# Altium PCB STM32H743II.PcbDoc (part 2 of 3)
Units mm, origin at the board's own origin, x right, y up, seen from the top; angles counter-clockwise.
Board outline 132.8 x 97.41 mm, 4 copper layers (Top Layer, GND, Power, Bottom Layer), stack 0.778 mm thick; 128 components, 206 nets, 736 pads, 989 vias.
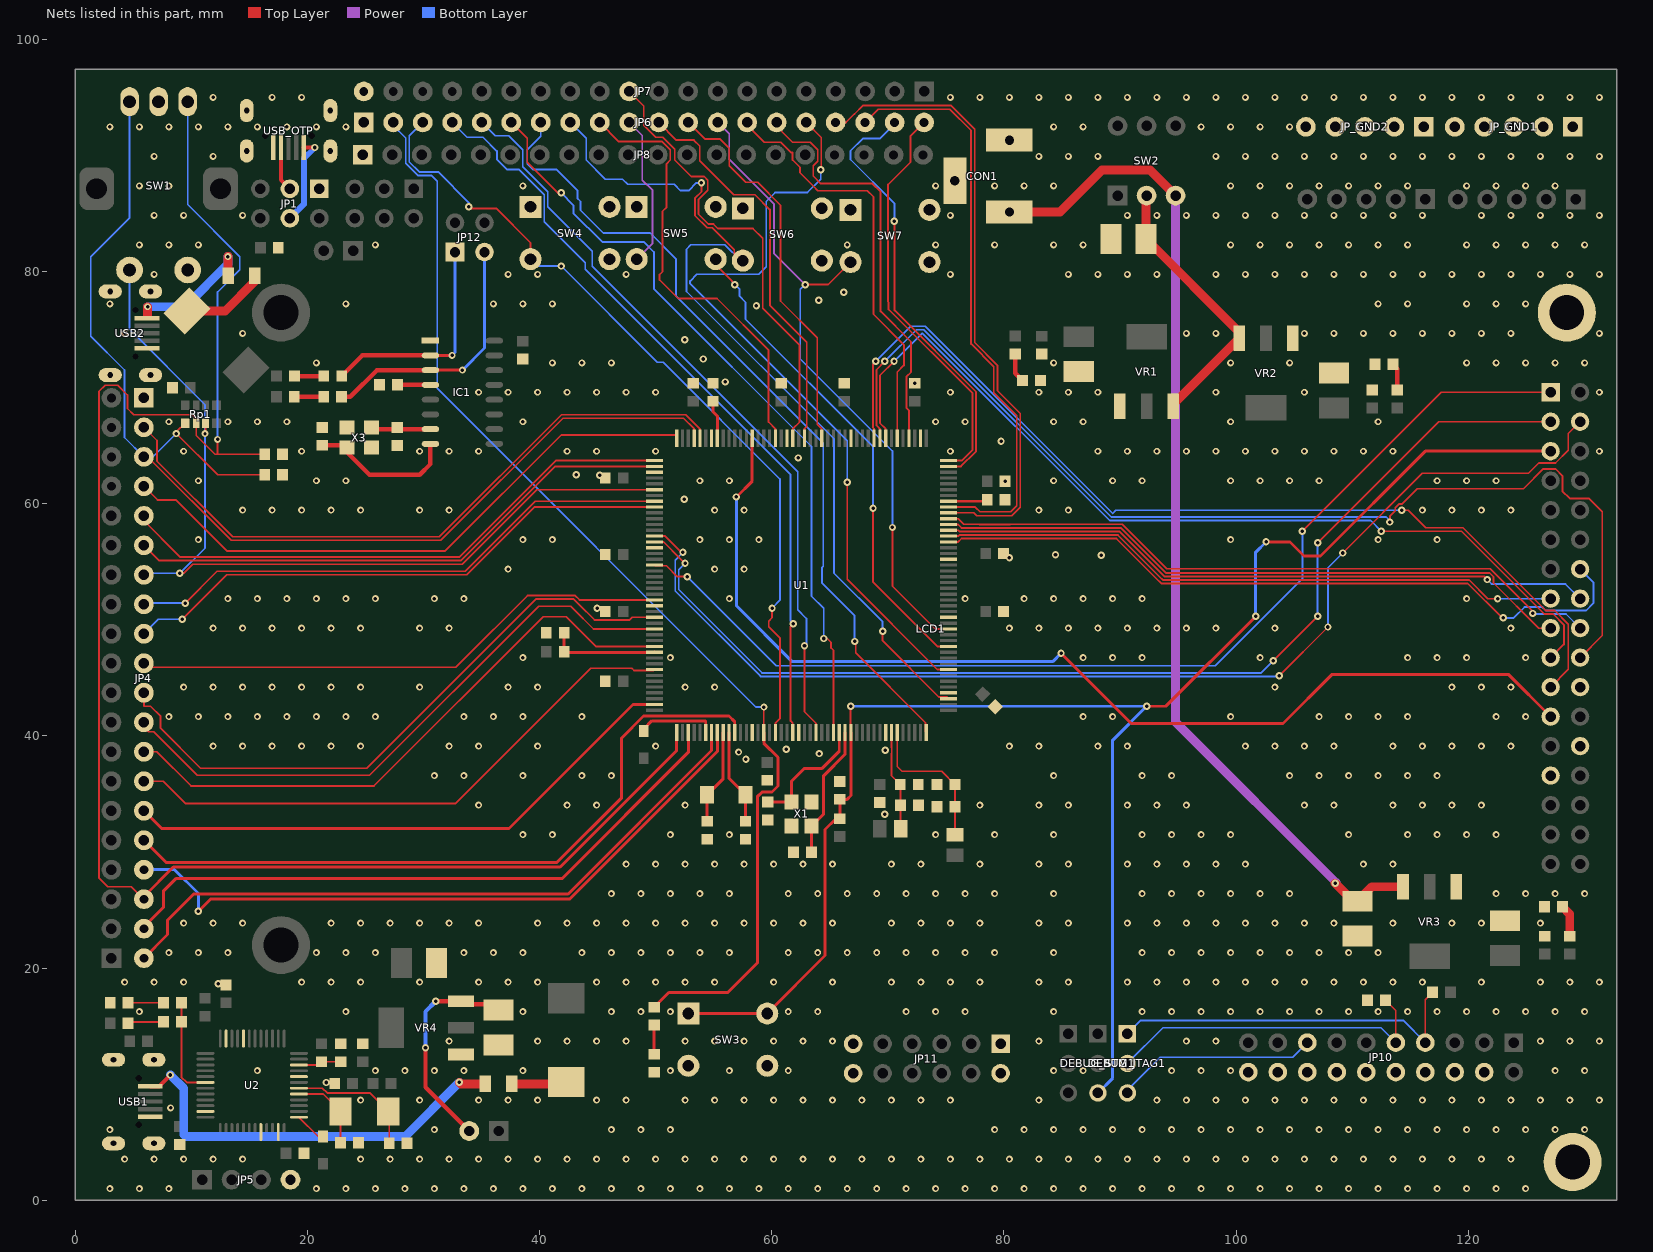
[diagram p4: the nets of this part, all layers, seen from the top]

## Via types
v1: diameter 0.6, hole 0.3, Top Layer to Bottom Layer, 798 vias
v2: diameter 0.635, hole 0.305, Top Layer to Bottom Layer, 191 vias

## Nets (pads, with @x,y where several pads share a name; then routed paths per layer and width w, separated by ;. In a path a pad name is that pad's centre, name@x,y a point inside that pad or via, vN(x,y) a via of type N, cw(c..) or ccw(c..) an arc to the next point about the centre after c; other vN are vias at no path point) (continued)
FSMC_D8: LCD1.14 U1.74 | length 62.7
  Top Layer w0.152: U1.74@75.246,56.709 76.059,56.709 76.352,57.002 77.37,57.002 77.382,56.99 81.051,56.99 81.063,57.002 89.694,57.002 93.394,53.302 93.483,53.212 93.571,53.124 119.948,53.124 122.907,50.165 v2(123.023,50.165)
  Bottom Layer w0.152: v2(123.023,50.165) 123.912,50.165 124.839,51.092 126.378,51.092 126.666,50.804 130.139,50.804 130.77,51.435 130.77,53.217 LCD1.14@129.627,54.36
FSMC_D9: LCD1.15 U1.75 | length 54.3
  Top Layer w0.152: U1.75@75.246,57.209 76.059,57.209 76.156,57.307 77.496,57.307 77.508,57.295 80.925,57.295 80.936,57.307 89.82,57.307 93.609,53.517 93.698,53.429 120.074,53.429 121.687,51.816 v2(122.515,51.816)
  Bottom Layer w0.152: v2(122.515,51.816) 126.837,51.816 126.964,51.943 LCD1.15@127.087,51.82
FSMC_D10: LCD1.16 U1.76 | length 56.8
  Top Layer w0.152: U1.76@75.246,57.709 76.059,57.709 76.156,57.611 77.623,57.611 77.634,57.6 80.799,57.6 80.81,57.611 89.946,57.611 93.824,53.734 121.36,53.734 v2(121.626,53.467)
  Bottom Layer w0.152: v2(121.626,53.467) 122.007,53.086 128.361,53.086 LCD1.16@129.627,51.82
FSMC_D11: LCD1.17 U1.77 | length 55.9
  Top Layer w0.152: U1.77@75.246,58.209 76.059,58.209 76.352,57.916 77.749,57.916 77.76,57.905 80.672,57.905 80.684,57.916 90.072,57.916 93.95,54.038 121.827,54.038 122.172,53.693 122.172,53.165 126.057,49.28 LCD1.17@127.087,49.28
FSMC_D12: LCD1.18 U1.78 | length 58.4
  Top Layer w0.152: U1.78@75.246,58.709 76.059,58.709 76.547,58.221 77.875,58.221 77.887,58.209 80.546,58.209 80.558,58.221 90.199,58.221 94.015,54.405 121.892,54.405 125.563,50.733 v2(125.563,50.546)
  Bottom Layer w0.152: v2(125.563,50.546) 125.61,50.499 128.408,50.499 LCD1.18@129.627,49.28
FSMC_D13: LCD1.19 U1.96 | length 79.7
  Top Layer w0.152: U1.96@69.821,65.634 69.821,66.446 69.333,66.934 69.333,71.056 v2(70.54,72.263) ; v2(112.515,57.625) 119.414,57.625 126.54,50.499 127.305,50.499 128.23,49.574 128.23,47.883 LCD1.19@127.087,46.74
  Bottom Layer w0.152: v2(70.54,72.263) 72.953,74.676 72.985,74.676 89.114,58.547 111.593,58.547 v2(112.515,57.625)
FSMC_D14: LCD1.20 U1.97 | length 94.9
  Top Layer w0.152: U1.97@69.321,65.634 69.321,66.446 69.029,66.739 69.029,71.539 v2(69.752,72.263) ; v2(113.244,58.42) 113.244,58.928 113.714,59.398 113.714,59.662 114.034,59.982 114.298,59.982 115.608,61.291 124.752,61.291 126.456,62.996 127.508,62.996 128.103,62.401 128.103,61.087 128.734,60.456 130.385,60.456 131.532,59.309 131.532,48.645 LCD1.20@129.627,46.74
  Bottom Layer w0.152: v2(69.752,72.263) 72.47,74.981 73.112,74.981 89.241,58.852 112.94,58.852 113.244,58.547 v2(113.244,58.42)
FSMC_D15: LCD1.21 U1.98 | length 84.6
  Top Layer w0.152: U1.98@68.821,65.634 68.821,66.446 68.724,66.544 68.724,72.022 v2(68.965,72.263) ; v2(114.26,59.436) 114.819,59.436 116.325,57.93 119.54,57.93 126.666,50.804 127.431,50.804 128.611,49.624 128.611,45.724 LCD1.21@127.087,44.2
  Bottom Layer w0.152: v2(68.965,72.263) 71.988,75.286 73.238,75.286 89.367,59.157 89.646,59.436 v2(114.26,59.436)
FSMC_NE1: LCD1.1 U1.151 | length 92.9
  Top Layer w0.152: U1.151@49.897,54.709 49.958,54.648 50.942,54.648 51.869,53.721 v2(52.723,53.721) ; v2(105.707,57.625) 117.682,69.6 LCD1.1@127.087,69.6
  Bottom Layer w0.152: v2(52.723,53.721) 60.406,46.038 98.205,46.038 105.707,53.54 v2(105.707,57.625)
FSMC_NOE: LCD1.4 U1.146 | length 100.6
  Top Layer w0.152: U1.146@49.897,57.209 50.818,57.209 52.223,55.804 v2(52.361,55.804) ; v2(103.719,45.187) v2(107.91,49.378) ; v2(109.18,55.753) 116.038,62.611 125.178,62.611 126.071,63.504 127.508,63.504 128.611,64.607 128.611,66.044 LCD1.4@129.627,67.06
  Bottom Layer w0.152: v2(52.361,55.804) 51.687,55.131 51.687,52.48 59.044,45.123 103.656,45.123 v2(103.719,45.187) ; v2(107.91,49.378) 107.91,54.483 v2(109.18,55.753)
FSMC_NWE: LCD1.3 U1.147 | length 96.6
  Top Layer w0.152: U1.147@49.897,56.709 50.683,56.709 52.134,55.258 52.528,54.864 v2(52.538,54.864) ; v2(103.211,46.482) v2(107.021,50.292) ; v2(107.021,56.642) 117.439,67.06 LCD1.3@127.087,67.06
  Bottom Layer w0.152: v2(52.538,54.864) 51.992,54.318 51.992,52.606 59.17,45.428 102.157,45.428 v2(103.211,46.482) ; v2(107.021,50.292) v2(107.021,56.642)
GND: C1.1 C2.1 C3.1 C4.1 C5.1 C6.1 C7.1 C8.1 C9.1 C10.1 C11.1 C12.1 C13.1 C14.1 C15.1 C16.1 C17.1 C18.1 C19.1 C20.1 C21.1 C22.1 C23.1 C24.1 C25.1 C26.1 C27.1 C28.1 C29.1 C30.2 C31.1 C32.1 C33.1 C34.1 C35.2 C36.1 C37.2 C38.2 C39.1 C40.1 C41.2 C42.1 C43.2 C44.2 C45.1 C46.2 C47.2 C48.1 C49.2 C50.2 CON1.2 CON1.3 D4.K IC1.1 JP1.1 JP4.1 JP5.4 JP6.1 JP7.20 JP8.1 JP10.4 JP10.6 JP10.8 JP10.10 JP10.12 JP10.14 JP10.16 JP10.18 JP10.20 JP11.1 JP11.2 JP11.11 JP11.12 JP_GND1.1 JP_GND1.2 JP_GND1.3 JP_GND1.4 JP_GND1.5 JP_GND2.1 JP_GND2.2 JP_GND2.3 JP_GND2.4 JP_GND2.5 LCD1.22 LCD1.26 LCD1.27 pad.1 R1.1 R9.1 R11.1 R12.1 R13.1 R14.1 R17.1 SW1.2 SW1.C SW3.2 SW3.3 SW4.1 SW4.4 SW5.1 SW5.4 SW6.1 SW6.4 SW7.1 SW7.4 U1.14 U1.22 U1.37 U1.48 U1.61 U1.71 U1.90 U1.102 U1.113 U1.126 U1.135 U1.148 U1.158 U2.8 U2.20 U2.23 U2.35 U2.44 U2.47 USB1.5 USB2.5 USB_OTP.5 VR1.1 VR2.1 VR3.1 VR4.1 X1.2 X1.4 X3.2 X3.4
  other v1: 3.008,1.016 5.548,1.016 8.088,1.016 20.788,1.016 23.328,1.016 25.868,1.016 28.408,1.016 30.948,1.016 33.488,1.016 36.028,1.016 38.568,1.016 41.108,1.016 43.648,1.016 46.188,1.016 48.728,1.016 51.268,1.016 53.808,1.016 56.348,1.016 58.888,1.016 61.428,1.016 63.968,1.016 66.508,1.016 69.048,1.016 71.588,1.016 74.128,1.016 76.668,1.016 79.208,1.016 81.748,1.016 84.288,1.016 86.828,1.016 89.368,1.016 91.908,1.016 94.448,1.016 96.988,1.016 99.528,1.016 102.068,1.016 104.608,1.016 107.148,1.016 109.688,1.016 112.228,1.016 114.768,1.016 117.308,1.016 119.848,1.016 122.388,1.016 124.928,1.016 4.278,3.556 6.818,3.556 9.358,3.556 11.898,3.556 14.438,3.556 24.598,3.556 27.138,3.556 29.678,3.556 32.218,3.556 34.758,3.556 37.298,3.556 39.838,3.556 42.378,3.556 44.918,3.556 47.458,3.556 49.998,3.556 52.538,3.556 55.078,3.556 57.618,3.556 60.158,3.556 62.698,3.556 65.238,3.556 67.778,3.556 70.318,3.556 72.858,3.556 75.398,3.556 77.938,3.556 80.478,3.556 83.018,3.556 85.558,3.556 88.098,3.556 90.638,3.556 93.178,3.556 95.718,3.556 98.258,3.556 100.798,3.556 103.338,3.556 105.878,3.556 108.418,3.556 110.958,3.556 113.498,3.556 116.038,3.556 118.578,3.556 121.118,3.556 123.658,3.556 3.008,6.096 30.948,6.096 46.188,6.096 48.728,6.096 51.268,6.096 79.208,6.096 81.748,6.096 84.288,6.096 86.828,6.096 89.368,6.096 91.908,6.096 94.448,6.096 96.988,6.096 99.528,6.096 102.068,6.096 104.608,6.096 107.148,6.096 109.688,6.096 112.228,6.096 114.768,6.096 117.308,6.096 119.848,6.096 122.388,6.096 124.928,6.096 127.468,6.096 130.008,6.096 24.598,8.636 29.678,8.636 34.758,8.636 37.298,8.636 39.838,8.636 44.918,8.636 47.458,8.636 52.538,8.636 55.078,8.636 57.618,8.636 60.158,8.636 62.698,8.636 65.238,8.636 67.778,8.636 70.318,8.636 72.858,8.636 75.398,8.636 83.018,8.636 93.178,8.636 95.718,8.636 98.258,8.636 100.798,8.636 103.338,8.636 105.878,8.636 108.418,8.636 110.958,8.636 113.498,8.636 116.038,8.636 118.578,8.636 121.118,8.636 123.658,8.636 126.198,8.636 128.738,8.636 131.278,8.636 15.708,11.176 25.868,11.176 28.408,11.176 30.948,11.176 33.488,11.176 38.568,11.176 51.268,11.176 56.348,11.176 61.428,11.176 84.288,11.176 86.828,11.176 94.448,11.176 96.988,11.176 99.528,11.176 127.468,11.176 130.008,11.176 32.218,13.716 39.838,13.716 42.378,13.716 44.918,13.716 47.458,13.716 52.538,13.716 55.078,13.716 57.618,13.716 60.158,13.716 62.698,13.716 65.238,13.716 83.018,13.716 95.718,13.716 98.258,13.716 126.198,13.716 128.738,13.716 131.278,13.716 5.548,16.256 23.328,16.256 38.568,16.256 46.188,16.256 48.728,16.256 51.268,16.256 61.428,16.256 63.968,16.256 71.588,16.256 74.128,16.256 76.668,16.256 84.288,16.256 91.908,16.256 94.448,16.256 96.988,16.256 99.528,16.256 102.068,16.256 104.608,16.256 107.148,16.256 109.688,16.256 112.228,16.256 114.768,16.256 117.308,16.256 119.848,16.256 122.388,16.256 124.928,16.256 127.468,16.256 130.008,16.256 4.278,18.796 6.818,18.796 9.358,18.796 19.518,18.796 22.058,18.796 24.598,18.796 29.678,18.796 34.758,18.796 37.298,18.796 39.838,18.796 44.918,18.796 47.458,18.796 49.998,18.796 52.538,18.796 55.078,18.796 60.158,18.796 65.238,18.796 70.318,18.796 72.858,18.796 75.398,18.796 77.938,18.796 83.018,18.796 85.558,18.796 90.638,18.796 93.178,18.796 95.718,18.796 98.258,18.796 100.798,18.796 103.338,18.796 105.878,18.796 108.418,18.796 110.958,18.796 113.498,18.796 116.038,18.796 121.118,18.796 126.198,18.796 128.738,18.796 131.278,18.796 8.088,21.336 10.628,21.336 13.168,21.336 20.788,21.336 23.328,21.336 25.868,21.336 33.488,21.336 36.028,21.336 38.568,21.336 43.648,21.336 46.188,21.336 48.728,21.336 51.268,21.336 53.808,21.336 56.348,21.336 61.428,21.336 63.968,21.336 66.508,21.336 69.048,21.336 71.588,21.336 74.128,21.336 76.668,21.336 79.208,21.336 84.288,21.336 91.908,21.336 94.448,21.336 96.988,21.336 99.528,21.336 102.068,21.336 104.608,21.336 107.148,21.336 109.688,21.336 112.228,21.336 9.358,23.876 11.898,23.876 14.438,23.876 22.058,23.876 24.598,23.876 27.138,23.876 29.678,23.876 32.218,23.876 34.758,23.876 39.838,23.876 42.378,23.876 44.918,23.876 47.458,23.876 49.998,23.876 52.538,23.876 55.078,23.876 57.618,23.876 60.158,23.876 62.698,23.876 65.238,23.876 70.318,23.876 72.858,23.876 75.398,23.876 77.938,23.876 83.018,23.876 85.558,23.876 90.638,23.876 93.178,23.876 95.718,23.876 98.258,23.876 100.798,23.876 103.338,23.876 105.878,23.876 108.418,23.876 113.498,23.876 118.578,23.876 121.118,23.876 126.198,23.876 46.188,26.416 48.728,26.416 51.268,26.416 53.808,26.416 56.348,26.416 61.428,26.416 63.968,26.416 66.508,26.416 69.048,26.416 71.588,26.416 74.128,26.416 76.668,26.416 79.208,26.416 84.288,26.416 91.908,26.416 94.448,26.416 96.988,26.416 99.528,26.416 102.068,26.416 104.608,26.416 122.388,26.416 124.928,26.416 127.468,26.416 130.008,26.416 47.458,28.956 49.998,28.956 52.538,28.956 55.078,28.956 57.618,28.956 60.158,28.956 62.698,28.956 65.238,28.956 70.318,28.956 72.858,28.956 77.938,28.956 83.018,28.956 85.558,28.956 90.638,28.956 93.178,28.956 95.718,28.956 98.258,28.956 100.798,28.956 110.958,28.956 113.498,28.956 38.568,31.496 41.108,31.496 51.268,31.496 56.348,31.496 74.128,31.496 79.208,31.496 84.288,31.496 91.908,31.496 94.448,31.496 96.988,31.496 99.528,31.496 109.688,31.496 114.768,31.496 117.308,31.496 119.848,31.496 122.388,31.496 34.758,34.036 42.378,34.036 44.918,34.036 52.538,34.036 77.938,34.036 83.018,34.036 85.558,34.036 90.638,34.036 93.178,34.036 95.718,34.036 105.878,34.036 108.418,34.036 113.498,34.036 116.038,34.036 118.578,34.036 121.118,34.036 30.948,36.576 33.488,36.576 38.568,36.576 43.648,36.576 46.188,36.576 84.288,36.576 91.908,36.576 94.448,36.576 104.608,36.576 107.148,36.576 109.688,36.576 112.228,36.576 114.768,36.576 117.308,36.576 11.898,39.116 14.438,39.116 16.978,39.116 19.518,39.116 22.058,39.116 24.598,39.116 32.218,39.116 34.758,39.116 39.838,39.116 49.998,39.116 80.478,39.116 83.018,39.116 88.098,39.116 90.638,39.116 100.798,39.116 103.338,39.116 105.878,39.116 108.418,39.116 113.498,39.116 116.038,39.116 118.578,39.116 121.118,39.116 123.658,39.116 8.088,41.656 10.628,41.656 13.168,41.656 15.708,41.656 18.248,41.656 20.788,41.656 23.328,41.656 25.868,41.656 33.488,41.656 36.028,41.656 38.568,41.656 43.648,41.656 86.828,41.656 89.368,41.656 99.528,41.656 107.148,41.656 109.688,41.656 112.228,41.656 114.768,41.656 122.388,41.656 124.928,41.656 9.358,44.196 11.898,44.196 14.438,44.196 16.978,44.196 19.518,44.196 22.058,44.196 24.598,44.196 29.678,44.196 37.298,44.196 39.838,44.196 52.538,44.196 55.078,44.196 103.338,44.196 118.578,44.196 121.118,44.196 123.658,44.196 38.568,46.736 51.268,46.736 86.828,46.736 89.368,46.736 91.908,46.736 102.068,46.736 114.768,46.736 117.308,46.736 119.848,46.736 124.928,46.736 11.898,49.276 14.438,49.276 16.978,49.276 19.518,49.276 22.058,49.276 24.598,49.276 29.678,49.276 32.218,49.276 80.478,49.276 83.018,49.276 85.558,49.276 88.098,49.276 90.638,49.276 93.178,49.276 95.718,49.276 98.258,49.276 103.338,49.276 123.658,49.276 13.168,51.816 15.708,51.816 18.248,51.816 20.788,51.816 23.328,51.816 25.868,51.816 30.948,51.816 33.488,51.816 56.348,51.816 76.668,51.816 81.748,51.816 84.288,51.816 86.828,51.816 89.368,51.816 91.908,51.816 119.848,51.816 37.298,54.356 55.078,54.356 57.618,54.356 10.628,56.896 38.568,56.896 41.108,56.896 53.808,56.896 56.348,56.896 58.888,56.896 99.528,56.896 112.228,56.896 117.308,56.896 14.438,59.436 16.978,59.436 19.518,59.436 22.058,59.436 24.598,59.436 29.678,59.436 32.218,59.436 55.078,59.436 57.618,59.436 83.018,59.436 85.558,59.436 116.038,59.436 118.578,59.436 121.118,59.436 123.658,59.436 10.628,61.976 20.788,61.976 23.328,61.976 53.808,61.976 56.348,61.976 84.288,61.976 89.368,61.976 91.908,61.976 99.528,61.976 102.068,61.976 104.608,61.976 107.148,61.976 117.308,61.976 119.848,61.976 122.388,61.976 9.358,64.516 19.518,64.516 29.678,64.516 32.218,64.516 34.758,64.516 42.378,64.516 44.918,64.516 49.998,64.516 75.398,64.516 88.098,64.516 90.638,64.516 93.178,64.516 95.718,64.516 98.258,64.516 100.798,64.516 103.338,64.516 105.878,64.516 108.418,64.516 110.958,64.516 113.498,64.516 131.278,64.516 8.088,67.056 13.168,67.056 15.708,67.056 18.248,67.056 38.568,67.056 74.128,67.056 76.668,67.056 84.288,67.056 86.828,67.056 99.528,67.056 112.228,67.056 34.758,69.596 37.298,69.596 39.838,69.596 42.378,69.596 44.918,69.596 47.458,69.596 49.998,69.596 75.398,69.596 83.018,69.596 85.558,69.596 88.098,69.596 98.258,69.596 105.878,69.596 131.278,69.596 20.788,72.136 41.108,72.136 43.648,72.136 46.188,72.136 84.288,72.136 99.528,72.136 104.608,72.136 119.848,72.136 122.388,72.136 124.928,72.136 127.468,72.136 130.008,72.136 4.278,74.676 14.438,74.676 95.718,74.676 98.258,74.676 105.878,74.676 108.418,74.676 110.958,74.676 113.498,74.676 116.038,74.676 118.578,74.676 121.118,74.676 123.658,74.676 131.278,74.676 3.008,77.216 23.328,77.216 36.028,77.216 38.568,77.216 41.108,77.216 112.228,77.216 114.768,77.216 119.848,77.216 122.388,77.216 124.928,77.216 6.818,79.756 37.298,79.756 39.838,79.756 47.458,79.756 75.398,79.756 85.558,79.756 88.098,79.756 90.638,79.756 93.178,79.756 98.258,79.756 100.798,79.756 103.338,79.756 105.878,79.756 108.418,79.756 110.958,79.756 113.498,79.756 116.038,79.756 118.578,79.756 121.118,79.756 123.658,79.756 126.198,79.756 128.738,79.756 131.278,79.756 5.548,82.296 8.088,82.296 10.628,82.296 25.868,82.296 66.508,82.296 74.128,82.296 79.208,82.296 84.288,82.296 86.828,82.296 99.528,82.296 102.068,82.296 104.608,82.296 107.148,82.296 109.688,82.296 112.228,82.296 114.768,82.296 119.848,82.296 122.388,82.296 124.928,82.296 127.468,82.296 130.008,82.296 6.818,84.836 9.358,84.836 14.438,84.836 75.398,84.836 90.638,84.836 93.178,84.836 95.718,84.836 98.258,84.836 100.798,84.836 103.338,84.836 105.878,84.836 108.418,84.836 110.958,84.836 113.498,84.836 116.038,84.836 121.118,84.836 123.658,84.836 126.198,84.836 128.738,84.836 131.278,84.836 5.548,87.376 8.088,87.376 38.568,87.376 74.128,87.376 79.208,87.376 81.748,87.376 84.288,87.376 99.528,87.376 102.068,87.376 104.608,87.376 107.148,87.376 109.688,87.376 112.228,87.376 114.768,87.376 119.848,87.376 122.388,87.376 124.928,87.376 127.468,87.376 6.818,89.916 11.898,89.916 83.018,89.916 85.558,89.916 88.098,89.916 98.258,89.916 100.798,89.916 103.338,89.916 105.878,89.916 108.418,89.916 110.958,89.916 113.498,89.916 116.038,89.916 118.578,89.916 121.118,89.916 123.658,89.916 126.198,89.916 128.738,89.916 131.278,89.916 3.008,92.456 5.548,92.456 8.088,92.456 10.628,92.456 13.168,92.456 15.708,92.456 18.248,92.456 20.788,92.456 23.328,92.456 84.288,92.456 86.828,92.456 96.988,92.456 99.528,92.456 102.068,92.456 104.608,92.456 11.898,94.996 16.978,94.996 19.518,94.996 75.398,94.996 77.938,94.996 80.478,94.996 83.018,94.996 85.558,94.996 88.098,94.996 90.638,94.996 93.178,94.996 95.718,94.996 98.258,94.996 100.798,94.996 103.338,94.996 105.878,94.996 108.418,94.996 110.958,94.996 113.498,94.996 116.038,94.996 118.578,94.996 121.118,94.996 123.658,94.996 126.198,94.996 128.738,94.996 131.278,94.996
  other v2: 8.224,7.956 21.622,10.15 12.345,18.669 69.746,33.264 57.785,37.973 64.095,38.481 57.148,38.608 69.789,38.749 61.263,38.863 44.958,51.004 80.478,55.35 88.392,55.57 84.444,55.609 52.482,60.396 80.105,61.936 45.19,62.442 43.179,62.494 62.295,63.939 79.756,65.369 72.321,70.366 56.007,70.485 54.102,72.461 52.509,74.126 58.691,77.043 64.04,77.532 66.204,78.197
JTAG_NRST: DEBUG_JTAG1.3 JP10.15 | length 17.4
  Bottom Layer w0.152: DEBUG_JTAG1.3@90.638,9.251 90.638,9.493 93.464,12.319 104.862,12.319 JP10.15@106.132,13.589
JTAG_SWCLK: DEBUG_JTAG1.2 JP10.9 R9.2 | length 28.9
  Top Layer w0.152: R9.2@112.863,17.236 113.752,16.347 JP10.9@113.752,13.589
  Bottom Layer w0.152: DEBUG_JTAG1.2@90.638,11.791 93.706,14.859 112.482,14.859 JP10.9@113.752,13.589
JTAG_SWDIO: DEBUG_JTAG1.1 JP10.7 R8.1 | length 31.5
  Top Layer w0.152: JP10.7@116.292,13.589 116.292,17.28 R8.1@116.919,17.907
  Bottom Layer w0.152: DEBUG_JTAG1.1@90.638,14.331 91.801,15.494 114.387,15.494 JP10.7@116.292,13.589
LCD_BL: LCD1.23 U1.119 | length 93.2
  Top Layer w0.254: v2(56.965,60.579) 58.321,61.936 U1.119@58.321,65.634 ; v2(84.923,47.117) 90.977,41.063 104.044,41.063 108.282,45.301 123.446,45.301 LCD1.23@127.087,41.66
  Bottom Layer w0.254: v2@56.983,60.579 56.983,51.181 61.771,46.393 84.199,46.393 v2(84.923,47.117)
LED: R4.2 R5.2 U2.30 | length 8.7
  Top Layer w0.152: R4.2@9.162,17.018 R5.2@9.162,15.367 9.162,10.61 9.616,10.156 U2.30@11.232,10.156
NetC5_2: C5.2 U2.5 Y1.1 | length 6.9
  Top Layer w0.152: U2.5@19.282,9.156 21.378,9.156 Y1.1@22.878,7.656 22.862,7.64 C5.2@22.862,4.953
NetC6_2: C6.2 U2.6 Y1.2 | length 11.3
  Top Layer w0.152: U2.6@19.282,9.656 21.309,9.656 21.714,9.251 25.383,9.251 Y1.2@26.978,7.656 27.061,7.573 C6.2@27.061,4.909
NetC22_2: C22.2 C23.2 FB1.1 U1.38 | length 8.6
  Top Layer w0.152: U1.38@70.321,40.284 70.321,38.989 70.335,38.975 70.335,38.523 70.321,38.509 70.321,36.573 C23.2@71.08,35.814 71.101,35.793 C22.2@71.101,34.036 FB1.1@71.101,32.004
NetC24_2: C24.2 C25.2 FB2.1 U1.39 | length 12.8
  Top Layer w0.152: U1.39@70.821,40.284 70.821,37.364 71.228,36.957 74.636,36.957 C24.2@75.779,35.814 C25.2@75.779,33.909 FB2.1@75.779,31.497
NetC26_2: C26.2 U1.81 | length 3.4
  Top Layer w0.254: U1.81@75.246,60.209 78.449,60.209 C26.2@78.565,60.325
NetC27_2: C27.2 U1.125 | length 3.3
  Top Layer w0.254: C27.2@54.951,68.826 54.951,67.915 55.321,67.545 U1.125@55.321,65.634
NetC38_1: C38.1 IC1.4 | length 2.8
  Top Layer w0.381: C38.1@27.773,70.231 IC1.4@30.609,70.231
NetC39_2: C39.2 IC1.7 X3.1 | length 5.1
  Top Layer w0.381: X3.1@25.538,66.548 25.665,66.421 IC1.7@30.609,66.421
NetC40_2: C40.2 IC1.8 X3.3 | length 12.8
  Top Layer w0.381: C40.2@21.279,65.024 23.262,65.024 X3.3@23.438,64.848 23.438,64.406 25.36,62.484 29.678,62.484 30.609,63.415 IC1.8@30.609,65.151
NetC43_1: C43.1 SW2.2 VR1.3 VR2.3 | length 23.9
  Top Layer w0.762: SW2.2@92.289,86.535 92.241,86.487 C43.1@92.241,82.804 100.276,74.769 VR2.3@100.276,74.247 94.589,68.56 VR1.3@94.589,68.374
NetC46_1: C46.1 CON1.1 SW2.3 VR3.3 | length 88.6
  Top Layer w0.762: CON1.1@80.478,85.113 84.819,85.113 88.46,88.753 92.571,88.753 SW2.3@94.789,86.535 ; v2(108.529,27.305) 110.077,25.757 C46.1@110.45,25.757 111.696,27.003 VR3.3@114.373,27.003
  Power w0.762: SW2.3@94.789,86.535 94.789,41.188 v2@108.601,27.377
NetC49_1: C49.1 ENABLE_STLINK.2 VR4.3 | length 18.8
  Top Layer w0.381: v2(30.186,13.135) 30.186,9.735 ENABLE_STLINK.2@33.952,5.969 ; v2(31.075,17.145) 31.089,17.159 VR4.3@33.244,17.159 33.512,16.891 35.959,16.891 C49.1@36.467,16.383
  Bottom Layer w0.381: v2(30.186,13.135) 30.186,16.256 v2(31.075,17.145)
NetD1_2: D1.2 U2.1 | length 2.8
  Top Layer w0.152: U2.1@19.282,7.156 20.94,5.498 D1.2@21.354,5.498
NetD2_1: D2.1 F1.2 | length 4.8
  Top Layer w0.381: D2.1@41.863,10.033 42.143,10.033 D2.1@42.309,10.199
  Top Layer w0.762: F1.2@37.61,10.033 D2.1@41.863,10.033
NetD3_K: D3.K R5.1 | length 3.1
  Top Layer w0.152: D3.K@4.574,15.24 4.701,15.367 R5.1@7.622,15.367
NetD4_A: D4.A R4.1 | length 3
  Top Layer w0.152: D4.A@4.574,17.018 R4.1@7.622,17.018
NetD5_1: D5.1 F2.2 | length 7.4
  Top Layer w0.762: D5.1@9.636,76.587 12.92,76.587 15.484,79.15 F2.2@15.484,79.629
NetD6_2: D6.2 U1.6 | length 6.5
  Top Layer w0.254: D6.2@49.019,40.64 49.68,41.3 54.24,41.3 54.321,41.22 U1.6@54.321,40.284
NetD7_K: D7.K R12.2 | length 2.5
  Top Layer w0.381: D7.K@80.986,72.89 80.986,71.239 R12.2@81.613,70.612
NetD8_K: D8.K R13.2 | length 2.4
  Top Layer w0.381: R13.2@113.506,72.009 113.879,71.636 D8.K@113.879,69.787
NetD9_K: D9.K R14.2 | length 2.8
  Top Layer w0.762: R14.2@128.111,25.273 128.738,24.646 D9.K@128.738,22.749
NetD10_A: D10.A IC1.2 JP12.1 | length 19.2
  Top Layer w0.254: IC1.2@30.609,72.771 v1(32.472,72.771)
  Top Layer w0.381: D10.A@22.968,70.993 24.746,72.771 IC1.2@30.609,72.771
  Bottom Layer w0.254: v1(32.472,72.771) 32.726,73.025 JP12.1@32.726,81.673
NetD10_K: D10.K R15.1 | length 2.5
  Top Layer w0.381: R15.1@18.904,70.993 D10.K@21.428,70.993
NetD11_A: D11.A IC1.3 JP12.3 | length 22.7
  Top Layer w0.254: IC1.3@30.609,71.501 v1(33.361,71.501)
  Top Layer w0.381: D11.A@23.213,69.469 D11.A@22.959,69.215 23.715,69.215 26.001,71.501 IC1.3@30.609,71.501
  Bottom Layer w0.254: v1(33.361,71.501) 35.266,73.406 JP12.3@35.266,81.673
NetD11_K: D11.K R16.1 | length 2.5
  Top Layer w0.381: R16.1@18.887,69.215 D11.K@21.419,69.215
NetD12_K: D12.K R17.2 | length 2.5
  Top Layer w0.254: R17.2@49.871,12.573 D12.K@49.871,15.097
NetF1_1: F1.1 USB1.1 | length 35.8
  Top Layer w0.381: USB1.1@6.48,9.809 7.229,9.809 v2(8.215,10.795)
  Top Layer w0.762: v2(33.107,10.16) 33.234,10.033 F1.1@35.324,10.033
  Bottom Layer w0.762: v2(8.215,10.795) 9.358,9.652 9.358,5.675 9.534,5.499 28.446,5.499 v2(33.107,10.16)
NetF2_1: F2.1 USB2.1 | length 11.5
  Top Layer w0.762: 6.249,76.255 v1(6.249,76.962) ; v1(13.168,81.28) 13.168,79.658 F2.1@13.198,79.629
  Bottom Layer w0.762: v1(6.249,76.962) 9.485,76.962 13.168,80.645 v1(13.168,81.28)
NetJP1_3: JP1.3 USB_OTP.4 | length 3.9
  Top Layer w0.381: USB_OTP.4@17.738,90.693 17.738,87.886 JP1.3@18.502,87.122
NetJP1_4: JP1.4 USB_OTP.1 | length 8
  Top Layer w0.381: USB_OTP.1@19.688,90.693 19.703,90.678 v2(20.661,90.678)
  Bottom Layer w0.508: JP1.4@18.502,84.582 19.709,85.788 19.709,89.725 v2(20.661,90.678)
NetNC_2: NC.2 R11.2 U1.166 | length 9.2
  Top Layer w0.254: NC.2@42.132,47.244 R11.2@42.132,48.895 ; NC.2@42.386,47.194 49.897,47.194 U1.166@49.897,47.209
NetR1_2: R1.2 R2.1 U2.10 | length 3.7
  Top Layer w0.152: U2.10@19.282,11.656 20.945,11.656 R2.1@21.227,11.938 R1.2@22.878,11.938
NRST: C28.2 DEBUG_STM1.3 LCD1.5 R10.1 SW3.1 SW3.4 U1.31 | length 145.4
  Top Layer w0.152: v2(66.795,42.554) 66.795,40.311 U1.31@66.821,40.284
  Top Layer w0.254: SW3.1@52.821,16.093 SW3.4@59.621,16.093 64.603,21.075 64.603,31.93 65.54,32.866 R10.1@65.873,32.866 C28.2@65.873,34.535 66.5,34.535 66.821,34.857 U1.31@66.821,40.284 ; v2(92.289,42.554) 93.95,42.554 v2(101.687,50.292) ; v2@102.576,56.769 v2(102.576,56.71) 104.631,56.71 105.842,55.499 107.275,55.499 116.296,64.52 LCD1.5@127.087,64.52
  Bottom Layer w0.254: v2(66.795,42.554) v2@92.172,42.554 ; DEBUG_STM1.3@88.098,9.251 89.368,10.521 89.368,39.633 v2(92.289,42.554) ; v2(101.687,50.292) 101.687,55.821 v2(102.576,56.71)
OSC_25_IN: C29.2 U1.29 X1.1 | length 10.6
  Top Layer w0.254: C29.2@59.65,34.298 59.676,34.324 X1.1@61.721,34.324 61.721,36.107 62.825,37.211 64.349,37.211 65.821,38.683 U1.29@65.821,40.284
OSC_25_OUT: C30.1 U1.30 X1.3 | length 11.5
  Top Layer w0.254: C30.1@63.421,29.972 X1.3@63.421,32.224 64.476,33.279 64.476,36.576 66.321,38.421 U1.30@66.321,40.284
OSC_32_IN: C31.2 U1.9 X2.1 | length 8.2
  Top Layer w0.254: C31.2@54.444,32.647 X2.1@54.444,34.925 55.821,36.302 U1.9@55.821,40.284
OSC_32_OUT: C32.2 U1.10 X2.2 | length 8.2
  Top Layer w0.254: U1.10@56.321,40.284 56.321,36.348 X2.2@57.744,34.925 C32.2@57.744,32.647
PA2: JP4.19 U1.3 | length 55.8
  Top Layer w0.254: JP4.19@5.929,23.395 5.929,23.555 7.606,25.232 7.606,26.629 8.679,27.702 41.938,27.702 52.821,38.586 U1.3@52.821,40.284
PA3: JP4.2 U1.128 | length 58.5
  Top Layer w0.152: JP4.2@5.929,66.575 7.063,65.441 7.063,63.663 13.576,57.15 31.383,57.15 41.899,67.666 52.602,67.666 53.821,66.446 U1.128@53.821,65.634
PA6: C34.2 JP4.3 Rp1.1 SW1.B U1.129 | length 103.3
  Top Layer w0.152: JP4.3@6.183,63.754 6.541,63.754 13.45,56.845 31.509,56.845 42.025,67.361 52.407,67.361 53.321,66.446 U1.129@53.321,65.634 ; Rp1.1@9.482,66.938 8.723,66.18 v2(8.723,66.04) 12.279,62.484 C34.2@16.335,62.484
  Bottom Layer w0.152: SW1.B@4.699,94.626 4.699,84.622 1.357,81.28 1.357,74.422 4.263,71.517 4.263,65.702 JP4.3@5.929,64.035 6.718,64.035 v2(8.723,66.04)
PA7: C33.2 JP4.18 Rp1.2 SW1.A U1.1 | length 150.9
  Top Layer w0.152: JP4.18@5.929,25.935 4.851,27.014 2.816,27.014 2.057,27.773 2.057,69.664 2.586,70.194 3.681,70.194 4.519,69.356 4.519,68.199 5.064,67.654 10.101,67.654 10.432,67.322 Rp1.2@10.432,66.938 10.432,65.873 12.054,64.251 12.279,64.251 ; v1(12.279,65.532) 12.279,64.251 ; C33.2@16.335,64.251 12.279,64.251
  Top Layer w0.254: JP4.18@5.929,25.935 5.929,26.162 8.469,28.702 41.788,28.702 51.821,38.735 U1.1@51.821,40.284
  Bottom Layer w0.152: SW1.A@9.699,94.626 9.699,85.765 14.184,81.28 14.184,80.137 12.279,78.232 v1(12.279,65.532)
PA15: JP4.7 Rp1.3 SW1.1 U1.138 | length 77.8
  Top Layer w0.152: v2(9.035,54.017) 9.358,54.017 10.132,54.791 33.357,54.791 39.775,61.209 U1.138@49.897,61.209 ; v1(11.194,66.04) 11.232,66.078 Rp1.3@11.232,66.938
  Power w0.152: v2@8.893,53.875 v2(9.035,54.017)
  Bottom Layer w0.152: SW1.1@4.699,80.126 4.699,75.017 11.194,68.522 v1(11.194,66.04) 11.194,56.176 v2(9.035,54.017) 6.071,54.017 JP4.7@5.929,53.875
PB0: JP4.12 U1.162 | length 52.9
  Top Layer w0.152: JP4.12@5.929,41.175 5.929,40.782 6.349,40.362 6.78,40.362 10.541,36.601 25.363,36.601 39.665,50.904 39.754,50.993 39.844,51.082 39.933,51.172 42.695,51.172 42.785,51.082 42.874,50.993 42.963,50.904 44.658,49.209 U1.162@49.897,49.209
PB1: JP4.8 U1.140 | length 48.3
  Top Layer w0.152: v2(9.485,51.435) 12.231,54.181 33.609,54.181 39.637,60.209 U1.140@49.897,60.209
  Power w0.152: JP4.8@5.929,51.335 JP4.8@5.929,51.943
  Bottom Layer w0.152: JP4.8@5.929,51.335 6.029,51.435 v2(9.485,51.435)
PB2: JP4.6 U1.134 | length 47.9
  Top Layer w0.152: JP4.6@5.929,56.415 7.249,55.096 33.231,55.096 41.344,63.209 U1.134@49.897,63.209
PB3: JP4.10 U1.157 | length 46.7
  Top Layer w0.152: JP4.10@5.929,45.909 32.788,45.909 32.877,45.998 32.966,46.087 33.056,46.176 33.145,46.266 33.234,46.355 38.965,52.086 43.074,52.086 43.451,51.709 U1.157@49.897,51.709
PB4: JP4.13 U1.165 | length 52.7
  Top Layer w0.152: JP4.13@5.49,38.634 7.047,38.634 9.993,35.687 25.741,35.687 40.312,50.257 42.317,50.257 44.865,47.709 U1.165@49.897,47.709
PB5: JP4.16 U1.11 | length 61.1
  Top Layer w0.254: JP4.16@5.929,31.015 7.836,29.108 41.515,29.108 47.077,34.671 47.077,39.828 48.956,41.707 56.334,41.707 56.821,41.22 U1.11@56.821,40.284
PB6: JP4.14 U1.169 | length 49.7
  Top Layer w0.152: JP4.14@5.929,36.095 7.595,36.095 9.502,34.188 32.786,34.188 44.431,45.834 47.94,45.834 48.142,45.633 49.821,45.633 U1.169@49.897,45.709
PB7: JP4.17 U1.8 | length 59.1
  Top Layer w0.254: v2(10.628,24.892) 11.671,25.935 42.596,25.935 55.321,38.66 U1.8@55.321,40.284
  Bottom Layer w0.254: JP4.17@5.929,28.475 8.569,28.475 10.628,26.416 v2(10.628,24.892)
PB8: JP4.15 U1.175 | length 49
  Top Layer w0.254: JP4.15@5.929,33.555 7.464,32.02 37.369,32.02 48.058,42.709 U1.175@49.897,42.709
PB9: JP4.20 U1.7 | length 58.6
  Top Layer w0.254: JP4.20@5.929,20.855 7.961,22.887 7.961,24.13 10.221,26.389 42.476,26.389 54.821,38.735 U1.7@54.821,40.284
PB10: JP4.11 U1.160 | length 54.8
  Top Layer w0.152: JP4.11@5.929,43.715 5.929,42.558 6.502,42.558 7.368,41.693 7.368,40.65 10.807,37.211 25.11,37.211 39.234,51.335 39.323,51.424 39.413,51.514 39.502,51.603 39.591,51.692 39.68,51.781 42.948,51.781 43.037,51.692 43.126,51.603 43.216,51.514 43.305,51.424 43.394,51.335 44.739,49.99 47.772,49.99 47.991,50.209 U1.160@49.897,50.209
PB11: JP4.9 U1.141 | length 48.5
  Top Layer w0.152: v2(9.231,50.038) 13.07,53.876 33.736,53.876 39.568,59.709 U1.141@49.897,59.709
  Bottom Layer w0.152: JP4.9@5.929,48.795 7.172,50.038 v2(9.231,50.038)
PB12: JP4.4 U1.132 | length 52.6
  Top Layer w0.152: JP4.4@5.929,61.495 7.099,60.325 8.677,60.325 13.071,55.931 31.888,55.931 41.87,65.913 51.821,65.913 U1.132@51.821,65.634
PB13: JP4.5 U1.133 | length 49
  Top Layer w0.152: JP4.5@5.725,58.751 9.076,55.4 33.104,55.4 41.413,63.709 U1.133@49.897,63.709
PB14: JP6.20 U1.88 | length 34.9
  Top Layer w0.152: JP6.20@73.13,92.837 71.964,91.671 71.964,89.43 70.026,87.492 70.026,77.395 70.064,77.357 70.064,76.734 77.303,69.495 77.303,64.643 76.369,63.709 U1.88@75.246,63.709
PB15: JP6.15 U1.92 | length 35.9
  Top Layer w0.152: JP6.15@60.285,92.63 61.791,91.124 63.331,91.124 63.968,90.487 63.968,89.487 63.58,89.098 63.58,88.223 64.232,87.57 68.677,87.57 69.379,86.868 69.379,76.558 72,73.936 72,71.323 71.603,70.926 71.603,68.266 71.821,68.048 U1.92@71.821,65.634
PC4: JP6.16 U1.52 | length 66.9
  Top Layer w0.152: JP6.16@62.97,92.837 64.273,91.534 64.273,88.824 v2(64.222,88.773) ; v2(66.505,61.848) 66.505,53.49 74.286,45.709 U1.52@75.246,45.709
  Bottom Layer w0.152: v2(64.222,88.773) 64.222,87.94 63.079,86.797 60.293,86.797 59.523,86.027 59.523,80.391 58.889,79.756 53.555,79.756 52.97,79.172 52.97,78.943 66.505,65.409 v2(66.505,61.848)
PC5: JP6.4 U1.21 | length 66.3
  Top Layer w0.152: U1.21@61.821,40.284 61.821,41.097 61.626,41.292 61.626,49.416 v2(61.867,49.657)
  Bottom Layer w0.152: JP6.4@32.49,92.837 33.76,91.567 35.139,91.567 36.339,90.368 36.339,89.662 37.228,88.773 38.245,88.773 40.411,86.607 40.411,84.289 43.939,80.76 43.939,80.195 61.626,62.508 61.626,49.898 v2(61.867,49.657)
PC6: JP6.14 U1.94 | length 36.2
  Top Layer w0.152: JP6.14@57.89,92.583 59.348,91.124 60.787,91.124 61.676,90.236 61.804,90.236 61.804,89.596 62.436,88.964 62.436,88.504 63.559,87.381 63.98,86.96 68.239,86.96 68.769,86.43 68.769,76.305 71.391,73.683 71.391,71.911 70.821,71.341 U1.94@70.821,65.634
PC7: JP6.12 U1.107 | length 33.3
  Top Layer w0.152: JP6.12@52.81,92.837 54.234,91.413 55.524,91.413 56.342,90.596 56.342,89.095 57.756,87.681 58.791,87.681 60.761,85.71 60.761,77.452 63.931,74.282 63.931,66.837 64.321,66.446 U1.107@64.321,65.634
PC8: JP6.11 U1.110 | length 34.5
  Top Layer w0.152: JP6.11@50.27,92.837 51.794,91.313 53.3,91.313 53.808,90.805 53.808,89.541 56.736,86.614 58.565,86.614 59.847,85.332 59.847,77.073 63.017,73.904 63.017,66.642 62.821,66.446 U1.110@62.821,65.634
PC9: JP6.9 U1.115 | length 38.4
  Top Layer w0.152: JP6.9@45.19,92.837 46.841,91.186 50.565,91.186 51.262,90.49 51.262,89.596 50.951,89.286 50.951,85.545 50.595,85.189 50.595,79.982 50.341,79.728 50.341,79.276 51.944,77.673 55.289,77.673 59.736,73.227 59.736,67.032 60.321,66.446 U1.115@60.321,65.634
PC10: JP6.18 U1.80 | length 50.6
  Top Layer w0.152: JP6.18@68.05,92.837 69.193,93.98 75.334,93.98 77.176,92.138 77.176,73.759 79.135,71.801 79.135,69.542 81.113,67.564 81.113,59.817 80.605,59.309 77.938,59.309 77.538,59.709 U1.80@75.246,59.709
PC11: JP6.19 U1.87 | length 38.1
  Top Layer w0.152: v2(70.572,84.328) 70.572,76.657 70.585,76.645 77.608,69.621 77.608,64.517 77.519,64.427 76.3,63.209 U1.87@75.246,63.209
  Bottom Layer w0.152: v2(70.572,84.328) 70.572,85.859 66.791,89.64 66.791,90.397 67.835,91.44 69.302,91.44 70.59,92.728 JP6.19@70.59,92.837
PC12: JP6.17 U1.79 | length 54.2
  Top Layer w0.152: JP6.17@65.51,92.837 66.4,92.837 67.124,93.561 67.134,93.561 67.858,94.285 75.46,94.285 77.481,92.264 77.481,73.886 79.44,71.927 79.44,69.745 81.418,67.767 81.418,59.691 80.682,58.955 77.667,58.955 77.413,59.209 U1.79@75.246,59.209
PC13: JP6.7 U1.44 | length 70.9
  Top Layer w0.152: v2(67.143,48.133) 67.232,48.044 67.232,47.145 73.245,41.132 73.245,40.361 U1.44@73.321,40.284
  Bottom Layer w0.152: JP6.7@40.11,92.837 40.11,91.66 38.944,90.495 38.944,89.286 39.457,88.773 41.478,88.773 43.267,86.984 43.267,86.291 43.535,86.023 43.535,85.277 45.501,83.312 49.541,83.312 51.751,81.102 51.751,77.9 64.449,65.201 64.449,54.604 64.345,54.5 64.345,53.154 67.143,50.355 v2(67.143,48.133)
PE0: D12.A JP6.2 U1.16 | length 98.9
  Top Layer w0.152: U1.16@59.321,40.284 v1(59.321,42.488)
  Top Layer w0.254: D12.A@49.871,16.637 51.141,17.907 56.221,17.907 58.761,20.447 58.761,34.759 59.181,35.179 60.031,35.179 60.539,35.687 60.539,38.151 59.321,39.369 U1.16@59.321,40.284
  Bottom Layer w0.152: JP6.2@27.41,92.837 27.41,92.565 28.48,91.496 28.48,89.305 29.513,88.272 30.688,88.272 31.202,87.757 31.202,69.926 58.641,42.488 v1(59.321,42.488)
PE1: JP6.3 SW4.2 SW4.3 U1.18 | length 71
  Top Layer w0.152: v2(33.923,85.562) 34.052,85.433 36.276,85.433 39.232,82.477 SW4.2@39.232,81.062 ; v2(60.031,51.004) 60.031,50.168 59.747,49.883 59.747,49.416 60.712,48.45 60.712,41.488 60.321,41.097 U1.18@60.321,40.284
  Bottom Layer w0.152: JP6.3@29.95,92.837 28.784,91.671 28.784,89.431 29.639,88.577 31.272,88.577 33.923,85.925 v2(33.923,85.562) ; SW4.2@39.232,81.062 39.827,80.467 v2(41.87,80.467) 50.151,72.187 50.654,72.187 60.712,62.13 60.712,51.684 v2(60.031,51.004)
PE2: JP6.10 SW5.2 SW5.3 U1.56 | length 55.4
  Top Layer w0.152: SW5.3@55.176,81.062 55.176,80.525 55.513,80.188 55.566,80.188 56.593,79.161 56.593,79.108 v2(56.835,78.867) ; v2(68.732,59.621) 68.732,53.239 74.262,47.709 U1.56@75.246,47.709
  Power w0.152: JP6.10@47.73,92.837 48.855,91.712 48.855,87.871 49.744,86.982 49.744,82.43 SW5.2@48.376,81.062
  Bottom Layer w0.152: v2(56.835,78.867) 57.237,78.464 57.237,77.863 57.745,77.355 57.745,75.892 68.732,64.906 v2(68.732,59.621)
PE3: JP6.8 SW6.2 SW6.3 U1.47 | length 78.6
  Top Layer w0.152: v2(53.952,87.63) 53.952,86.866 53.388,86.303 53.388,84.821 54.436,83.774 54.867,83.774 56.786,81.855 56.786,81.231 56.965,81.41 SW6.2@56.965,81.615 ; SW6.2@57.52,80.935 SW6.2@57.52,81.809 ; v2(69.556,49.022) 69.556,48.199 74.415,43.341 75.114,43.341 U1.47@75.246,43.209
  Bottom Layer w0.152: JP6.8@42.65,92.837 44.024,91.463 44.024,89.596 45.681,87.94 47.156,87.94 47.587,87.508 51.6,87.508 52.147,86.962 52.851,86.962 53.519,87.63 v2(53.952,87.63) ; SW6.2@57.364,80.899 55.967,82.296 53.046,82.296 52.665,81.915 52.665,78.278 65.364,65.58 65.364,54.017 69.556,49.825 v2(69.556,49.022)
PE4: JP6.13 SW7.2 SW7.3 U1.59 | length 57.6
  Top Layer w0.152: v2(62.883,78.867) 64.85,78.867 SW7.2@66.791,80.808 ; v2(70.402,57.951) 70.402,52.904 74.097,49.209 U1.59@75.246,49.209
  Power w0.152: JP6.13@55.35,92.837 56.342,91.845 56.342,89.648 60.209,85.78 60.209,81.541 v2(62.883,78.867)
  Bottom Layer w0.152: v2(62.883,78.867) 62.47,78.454 62.47,72.461 62.952,71.978 70.402,64.529 v2(70.402,57.951)
PE5: JP6.5 U1.25 | length 65.3
  Top Layer w0.152: v2(62.825,47.752) 62.825,42.093 63.821,41.097 U1.25@63.821,40.284
  Bottom Layer w0.152: JP6.5@35.03,92.837 36.184,91.683 37.368,91.683 38.562,90.49 38.562,89.034 40.716,86.88 40.716,85.559 44.549,81.726 44.549,80.448 62.236,62.761 62.236,50.863 62.99,50.109 62.99,47.917 v2(62.825,47.752)
PE6: JP6.6 U1.28 | length 66.5
  Top Layer w0.152: JP6.6@37.57,92.837 38.944,91.463 38.944,89.403 41.581,86.766 v2(41.87,86.766) ; v2(64.476,48.387) 64.786,48.387 65.111,48.062 65.111,47.577 65.321,47.367 U1.28@65.321,40.284
  Bottom Layer w0.152: v2(41.87,86.766) 42.926,85.711 42.926,85.022 45.402,82.545 48.991,82.545 49.86,81.676 49.86,78.498 63.431,64.927 63.431,52.031 64.476,50.985 v2(64.476,48.387)
PF0: JP7.11 U1.112 | length 39.9
  Top Layer w0.152: JP7.11@47.73,95.504 48.982,94.252 48.982,92.599 50.015,91.567 50.615,91.567 51.644,90.538 51.644,89.596 53.064,88.176 54.178,88.176 54.498,87.856 54.498,86.981 53.693,86.176 53.693,84.948 54.562,84.079 54.993,84.079 55.379,83.693 58.391,83.693 59.237,82.846 59.237,76.821 62.407,73.651 62.407,67.032 61.821,66.446 U1.112@61.821,65.634